# Altium PCB smart-ring-main.PcbDoc (part 3 of 6) (continued)
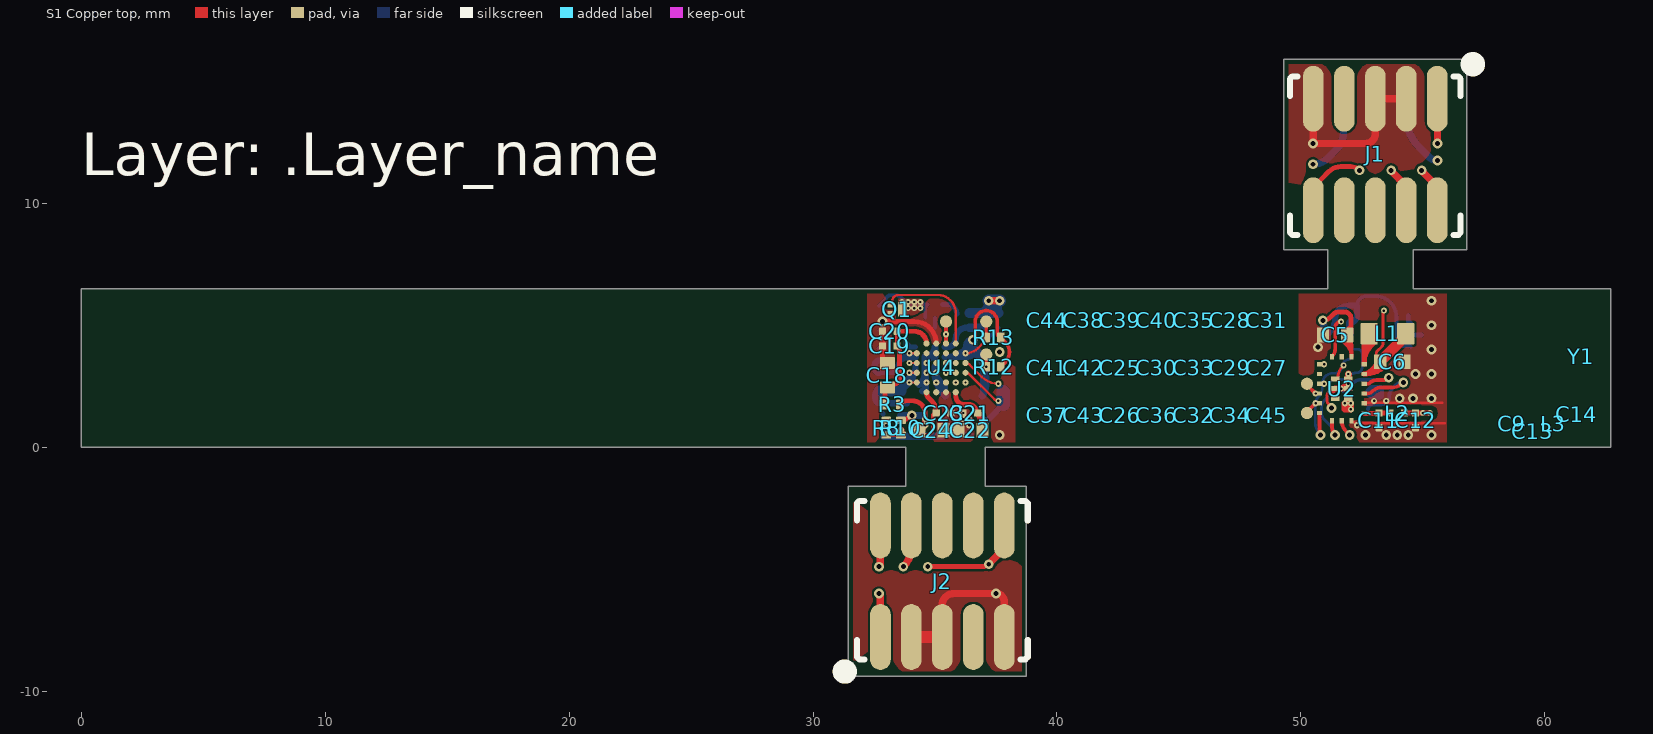
[diagram p0: S1 Copper top view]
## Nets (pads, with @x,y where several pads share a name; then routed paths per layer and width w, separated by ;. In a path a pad name is that pad's centre, name@x,y a point inside that pad or via, vN(x,y) a via of type N, cw(c..) or ccw(c..) an arc to the next point about the centre after c; other vN are vias at no path point) (continued)
  S4 Flex copper inner 2 w0.1: v6@9.652,1.765 9.743,1.857 v6@9.852,1.965 ; 10.852,1.765 10.652,1.965 ; 26.815,4.315 27.102,4.028 ccw(c28.481,5.407) 28.481,3.457 32.376,3.457 ccw(c32.376,4.378) 32.946,3.655 cw(c33.008,3.577) 33.017,3.676 ccw(c33.05,4.05) 33.418,3.976 ccw(c33.05,4.05) 32.715,4.218 ; v1(27.65,5.4) ccw(c28.978,5.4) 27.692,5.069 cw(c27.595,5.044) 27.676,4.985 ccw(c28,4.75) 27.921,4.358 cw(c27.902,4.26) 28.001,4.268 ccw(c28.4,4.3) 28.4,3.9 31.997,3.9 ccw(c31.997,4.874) 32.685,4.185 32.7,4.2 ; v2(30.4,2.2) cw(c30.883,1.717) 30.883,2.4 31.961,2.4 cw(c31.961,1.661) 32.259,2.337 ; 32.264,1.565 32.264,2.316 ccw(c32.216,2.316) 32.259,2.337 ; 32.484,2.184 32.645,2.022 cw(c32.575,1.951) 32.675,1.951 ccw(c33.05,1.95) 33.425,1.95 33.425,3.05 ccw(c33.05,3.05) 32.731,3.247 cw(c32.646,3.3) 32.647,3.2 ; 32.483,2.184 ccw(c31.961,1.661) 32.259,2.337 ; 32.646,3.2 32.279,3.2 32.1,3.2 11.251,3.2 ; 38.3,0.5 38.5,0.5 ; 38.3,0.9 38.5,0.9 ; 38.3,1.3 38.5,1.3 ; 38.3,1.7 38.5,1.7 ; 38.3,2.1 38.5,2.1 ; 38.3,2.5 38.5,2.5 ; 38.3,2.9 38.5,2.9 ; 38.3,3.3 38.5,3.3 ; 38.3,3.7 38.5,3.7 ; 38.3,4.1 38.5,4.1 ; 38.3,4.5 38.5,4.5 ; 38.3,4.9 38.5,4.9 ; 38.3,5.3 38.5,5.3 38.6,5.2 38.7,5.1 ; 38.3,5.7 38.5,5.7 ; 38.3,6.1 38.5,6.1 ; 38.5,6.1 38.7,5.9 ; 38.6,5.2 38.5,5.3 38.7,5.5 ; 39.55,1.45 39.5,1.5 ; 39.6,2.6 39.5,2.7 ; 49.9,0.5 49.7,0.5 ; 49.9,0.9 49.7,0.9 ; 49.9,1.3 49.7,1.3 ; 49.9,1.7 49.7,1.7 ; 49.9,2.1 49.7,2.1 ; 49.9,2.5 49.7,2.5 ; 49.9,2.9 49.7,2.9 ; 49.9,3.3 49.7,3.3 ; 49.9,3.7 49.7,3.7 ; 49.9,4.1 49.7,4.1 ; 49.9,4.5 49.7,4.5 ; 49.9,4.9 49.7,4.9 ; 49.9,5.3 49.7,5.3 ; 49.9,5.7 49.7,5.7 ; 49.9,6.1 49.7,6.1 49.5,5.9 ; v6@9.852,1.965 10.052,1.765 10.252,1.965 ; v6@9.852,1.965 10.052,2.165 ; v6@9.852,1.965 9.652,2.165 9.852,2.365 ; 9.852,2.365 10.052,2.165 ; 9.852,2.365 10.052,2.565 ; 9.852,2.365 9.652,2.565 9.852,2.765 ; 9.852,2.765 10.052,2.965 ; 9.852,2.765 10.052,2.565 ; 9.852,2.765 9.652,2.965 9.852,3.165 ; 9.852,3.165 10.052,2.965 ; 9.852,3.165 10.052,3.365 ; 9.852,3.165 9.652,3.365 9.852,3.565 ; 9.852,3.565 10.052,3.765 ; 9.852,3.565 10.052,3.365 ; 10.052,2.165 10.252,2.365 ; 10.052,2.165 10.252,1.965 ; 10.052,2.565 10.252,2.765 ; 10.052,2.565 10.252,2.365 ; 10.052,2.965 10.252,3.165 ; 10.052,2.965 10.252,2.765 ; 10.052,3.365 10.252,3.565 ; 10.052,3.365 10.252,3.165 ; 10.052,3.765 10.252,3.965 ; 10.052,3.765 10.252,3.565 ; 10.252,1.965 10.452,2.165 ; 10.252,1.965 10.452,1.765 10.652,1.965 ; 10.252,2.365 10.452,2.165 ; 10.252,2.365 10.452,2.565 ; 10.252,2.765 10.452,2.965 ; 10.252,2.765 10.452,2.565 ; 10.252,3.165 10.452,2.965 ; 10.252,3.165 10.452,3.365 ; 10.252,3.565 10.452,3.765 ; 10.252,3.565 10.452,3.365 ; 10.252,3.965 10.452,3.765 ; 10.252,3.965 10.452,4.165 10.652,3.965 ; 10.452,2.165 10.652,2.365 ; 10.452,2.165 10.652,1.965 ; 10.452,2.565 10.652,2.765 ; 10.452,2.565 10.652,2.365 ; 10.452,2.965 10.652,3.165 ; 10.452,2.965 10.652,2.765 ; 10.452,3.365 10.652,3.165 ; 10.452,3.365 10.652,3.565 ; 10.452,3.765 10.652,3.965 ; 10.452,3.765 10.652,3.565 ; 10.652,1.965 10.852,2.165 10.652,2.365 ; 10.652,2.365 10.852,2.565 10.652,2.765 ; 10.652,2.765 10.852,2.965 ; 10.652,3.165 10.852,3.365 ; 10.652,3.165 10.852,2.965 ; 10.652,3.565 10.852,3.365 ; 10.652,3.565 10.852,3.765 10.652,3.965 ; 10.852,2.965 10.971,3.084 cw(c11.251,2.805) 11.251,3.2 ; 10.852,3.365 ccw(c11.251,3.764) 11.251,3.2 ; 38.5,0.5 38.7,0.7 ; 38.5,0.5 38.7,0.3 38.9,0.5 ; 38.5,1.7 38.7,1.9 ; 38.5,1.7 38.7,1.5 ; 38.5,2.1 38.7,2.3 ; 38.5,2.1 38.7,1.9 ; 38.5,2.5 38.7,2.7 ; 38.5,2.5 38.7,2.3 ; 38.5,2.9 38.7,2.7 ; 38.5,2.9 38.7,3.1 ; 38.5,3.3 38.7,3.1 ; 38.5,3.3 38.7,3.5 ; 38.5,3.7 38.7,3.9 ; 38.5,3.7 38.7,3.5 ; 38.5,4.1 38.7,3.9 ; 38.5,4.1 38.7,4.3 ; 38.5,4.5 38.7,4.7 ; 38.5,4.5 38.7,4.3 ; 38.5,4.9 38.7,5.1 ; 38.5,4.9 38.7,4.7 ; 38.5,5.7 38.7,5.9 ; 38.5,5.7 38.7,5.5 ; 38.5,5.7 38.7,5.5 ; 38.7,0.7 38.9,0.5 ; 38.7,0.7 38.5,0.9 38.7,1.1 ; 38.7,0.7 38.9,0.9 ; 38.7,1.1 38.9,0.9 ; 38.7,1.1 38.5,1.3 38.7,1.5 ; 38.7,1.1 38.9,1.3 ; 38.7,1.5 38.9,1.7 ; 38.7,1.5 38.9,1.3 ; 38.7,1.9 38.9,2.1 ; 38.7,1.9 38.9,1.7 ; 38.7,2.3 38.9,2.1 ; 38.7,2.3 38.9,2.5 ; 38.7,2.7 38.9,2.5 ; 38.7,2.7 38.9,2.9 ; 38.7,3.1 38.9,2.9 ; 38.7,3.1 38.9,3.3 ; 38.7,3.5 38.9,3.3 ; 38.7,3.5 38.9,3.7 ; 38.7,3.9 38.9,4.1 ; 38.7,3.9 38.9,3.7 ; 38.7,4.3 38.9,4.1 ; 38.7,4.3 38.9,4.5 ; 38.7,4.7 38.9,4.9 ; 38.7,4.7 38.9,4.5 ; 38.7,5.1 38.9,5.3 ; 38.7,5.1 38.9,4.9 ; 38.7,5.5 38.9,5.3 ; 38.7,5.5 38.9,5.7 ; 38.7,5.5 38.9,5.3 ; 38.7,5.9 38.9,6.1 39.1,5.9 ; 38.7,5.9 38.9,5.7 ; 38.9,0.5 39.1,0.7 ; 38.9,0.5 39.1,0.3 39.3,0.5 ; 38.9,0.9 39.1,0.7 ; 38.9,0.9 39.1,1.1 ; 38.9,1.3 39.1,1.5 ; 38.9,1.3 39.1,1.1 ; 38.9,1.7 39.1,1.9 ; 38.9,1.7 39.1,1.5 ; 38.9,2.1 39.1,1.9 ; 38.9,2.1 39.1,2.3 ; 38.9,2.5 39.1,2.3 ; 38.9,2.5 39.1,2.7 ; 38.9,2.9 39.1,2.7 ; 38.9,2.9 39.1,3.1 ; 38.9,3.3 39.1,3.1 ; 38.9,3.3 39.1,3.5 ; 38.9,3.7 39.1,3.9 ; 38.9,3.7 39.1,3.5 ; 38.9,4.1 39.1,4.3 ; 38.9,4.1 39.1,3.9 ; 38.9,4.5 39.1,4.3 ; 38.9,4.5 39.1,4.7 ; 38.9,4.9 39.1,5.1 ; 38.9,4.9 39.1,4.7 ; 38.9,5.3 39.1,5.1 ; 38.9,5.3 39.1,5.5 ; 38.9,5.3 39.1,5.1 ; 38.9,5.7 39.1,5.5 ; 38.9,5.7 39.1,5.9 ; 39.1,0.7 39.3,0.9 ; 39.1,0.7 39.3,0.5 ; 39.1,1.1 39.3,1.3 ; 39.1,1.1 39.3,0.9 ; 39.1,1.5 39.3,1.7 ; 39.1,1.5 39.3,1.3 ; 39.1,1.9 39.3,1.7 ; 39.1,1.9 39.3,2.1 ; 39.1,2.3 39.3,2.5 ; 39.1,2.3 39.3,2.1 ; 39.1,2.7 39.3,2.5 ; 39.1,2.7 39.3,2.9 ; 39.1,3.1 39.3,2.9 ; 39.1,3.1 39.3,3.3 ; 39.1,3.5 39.3,3.3 ; 39.1,3.5 39.3,3.7 ; 39.1,3.9 39.3,4.1 ; 39.1,3.9 39.3,3.7 ; 39.1,4.3 39.3,4.5 ; 39.1,4.3 39.3,4.1 ; 39.1,4.7 39.3,4.5 ; 39.1,4.7 39.3,4.9 ; 39.1,5.1 39.3,5.3 ; 39.1,5.1 39.3,4.9 ; 39.1,5.1 39.3,4.9 ; 39.1,5.5 39.3,5.3 ; 39.1,5.5 39.3,5.7 ; 39.1,5.9 39.3,5.7 ; 39.1,5.9 39.3,6.1 39.5,5.9 ; 39.3,0.5 39.5,0.7 ; 39.3,0.5 39.5,0.3 39.7,0.5 ; 39.3,0.9 39.5,0.7 ; 39.3,0.9 39.5,1.1 ; 39.3,1.3 39.5,1.5 ; 39.3,1.3 39.5,1.1 ; 39.3,1.7 39.5,1.9 ; 39.3,1.7 39.5,1.5 ; 39.3,2.1 39.5,2.3 ; 39.3,2.1 39.5,1.9 ; 39.3,2.5 39.5,2.3 ; 39.3,2.5 39.5,2.7 ; 39.3,2.9 39.5,2.7 ; 39.3,2.9 39.5,3.1 ; 39.3,3.3 39.5,3.1 ; 39.3,3.3 39.5,3.5 ; 39.3,3.7 39.5,3.5 ; 39.3,3.7 39.5,3.9 ; 39.3,4.1 39.5,4.3 ; 39.3,4.1 39.5,3.9 ; 39.3,4.5 39.5,4.7 ; 39.3,4.5 39.5,4.3 ; 39.3,4.9 39.5,5.1 ; 39.3,4.9 39.5,4.7 ; 39.3,5.3 39.5,5.5 ; 39.3,5.3 39.5,5.1 ; 39.3,5.7 39.5,5.5 ; 39.3,5.7 39.5,5.9 ; 39.5,0.7 39.7,0.5 ; 39.5,0.7 39.7,0.9 ; 39.5,1.1 39.7,1.3 ; 39.5,1.1 39.7,0.9 ; 39.5,1.5 39.7,1.7 ; 39.5,1.5 39.7,1.3 ; 39.5,1.9 39.7,2.1 ; 39.5,1.9 39.7,1.7 ; 39.5,2.3 39.7,2.5 ; 39.5,2.3 39.7,2.1 ; 39.5,2.7 39.7,2.9 ; 39.5,2.7 39.7,2.5 ; 39.5,3.1 39.7,2.9 ; 39.5,3.1 39.7,3.3 ; 39.5,3.5 39.7,3.3 ; 39.5,3.5 39.7,3.7 ; 39.5,3.9 39.7,3.7 ; 39.5,3.9 39.7,4.1 ; 39.5,4.3 39.7,4.5 ; 39.5,4.3 39.7,4.1 ; 39.5,4.7 39.7,4.5 ; 39.5,4.7 39.7,4.9 ; 39.5,5.1 39.7,4.9 ; 39.5,5.1 39.7,5.3 ; 39.5,5.5 39.7,5.7 ; 39.5,5.5 39.7,5.3 ; 39.5,5.9 39.7,5.7 ; 39.5,5.9 39.7,6.1 39.9,5.9 39.7,5.7 ; 39.7,0.5 39.9,0.7 ; 39.7,0.5 39.9,0.3 40.1,0.5 ; 39.7,0.9 39.9,1.1 ; 39.7,0.9 39.9,0.7 ; 39.7,1.3 39.9,1.5 ; 39.7,1.3 39.9,1.1 ; 39.7,1.7 39.9,1.9 39.7,2.1 ; 39.7,1.7 39.9,1.5 ; 39.7,2.1 39.9,2.3 39.7,2.5 ; 39.7,2.5 39.9,2.7 ; 39.7,2.9 39.9,3.1 ; 39.7,2.9 39.9,2.7 ; 39.7,3.3 39.9,3.1 ; 39.7,3.3 39.9,3.5 39.7,3.7 ; 39.7,3.7 39.9,3.9 ; 39.7,4.1 39.9,3.9 ; 39.7,4.1 39.9,4.3 ; 39.7,4.5 39.9,4.3 ; 39.7,4.5 39.9,4.3 ; 39.7,4.5 39.9,4.7 ; 39.7,4.9 39.9,4.7 ; 39.7,4.9 39.9,5.1 ; 39.7,5.3 39.9,5.1 ; 39.7,5.3 39.9,5.5 ; 39.7,5.7 39.9,5.5 ; 39.9,0.7 40.1,0.9 ; 39.9,0.7 40.1,0.5 ; 39.9,1.1 40.1,1.3 ; 39.9,1.1 40.1,0.9 ; 39.9,1.5 40.1,1.3 ; 39.9,2.7 40.1,2.9 39.9,3.1 ; 39.9,3.9 40.1,4.1 ; 39.9,4.3 40.1,4.5 ; 39.9,4.3 40.1,4.1 ; 39.9,4.3 40.1,4.1 ; 39.9,4.7 40.1,4.9 ; 39.9,4.7 40.1,4.5 ; 39.9,5.1 40.1,4.9 ; 39.9,5.1 40.1,5.3 ; 39.9,5.5 40.1,5.3 ; 40.1,0.5 v1@40.3,0.7 ; 40.1,0.5 40.3,0.3 40.5,0.5 ; 40.1,0.9 40.3,1.1 ; 40.1,0.9 v1@40.3,0.7 ; 40.1,1.3 40.3,1.5 40.5,1.3 ; 40.1,1.3 40.3,1.1 ; 40.1,4.1 v1@40.3,4.3 ; 40.1,4.1 40.3,3.9 ; 40.1,4.1 40.3,3.9 ; 40.1,4.5 v1@40.3,4.7 ; 40.1,4.5 v1@40.3,4.3 ; 40.1,4.9 40.3,5.1 ; 40.1,4.9 v1@40.3,4.7 ; 40.1,5.3 40.3,5.1 ; v1@40.3,0.7 40.5,0.9 ; v1@40.3,0.7 40.5,0.5 ; 40.3,1.1 40.5,1.3 ; 40.3,1.1 40.5,0.9 ; 40.3,3.9 40.5,4.1 ; v1@40.3,4.3 v1@40.5,4.5 ; v1@40.3,4.3 40.5,4.1 ; v1@40.3,4.7 v1@40.5,4.5 ; v1@40.3,4.7 40.5,4.9 ; 40.3,5.1 40.5,5.3 ; 40.3,5.1 40.5,4.9 ; 40.5,0.5 40.7,0.7 ; 40.5,0.5 40.7,0.3 40.9,0.5 ; 40.5,0.9 40.7,0.7 ; 40.5,0.9 40.7,1.1 ; 40.5,1.3 40.7,1.5 ; 40.5,1.3 40.7,1.1 ; 40.5,4.1 40.7,3.9 ; 40.5,4.1 40.7,4.3 ; v1@40.5,4.5 40.7,4.3 ; v1@40.5,4.5 40.7,4.7 ; 40.5,4.9 40.7,4.7 ; 40.5,4.9 40.7,5.1 ; 40.5,5.3 40.7,5.5 40.9,5.3 ; 40.5,5.3 40.7,5.1 ; 40.7,0.7 40.9,0.5 ; 40.7,0.7 40.9,0.9 ; 40.7,1.1 40.9,1.3 ; 40.7,1.1 40.9,0.9 ; 40.7,1.5 40.9,1.7 ; 40.7,1.5 40.9,1.3 ; 40.7,3.9 40.9,4.1 ; 40.7,3.9 40.9,3.7 ; 40.7,4.3 40.9,4.1 ; 40.7,4.3 40.9,4.5 ; 40.7,4.7 40.9,4.5 ; 40.7,4.7 40.9,4.9 ; 40.7,5.1 40.9,4.9 ; 40.7,5.1 40.9,5.3 ; 40.9,0.5 41.1,0.7 ; 40.9,0.5 41.1,0.3 41.3,0.5 ; 40.9,0.9 41.1,1.1 ; 40.9,0.9 41.1,0.7 ; 40.9,1.3 41.1,1.5 ; 40.9,1.3 41.1,1.1 ; 40.9,1.7 41.1,1.9 ; 40.9,1.7 41.1,1.5 ; 40.9,3.7 41.1,3.5 ; 40.9,3.7 41.1,3.9 ; 40.9,4.1 41.1,4.3 ; 40.9,4.1 41.1,3.9 ; 40.9,4.5 41.1,4.3 ; 40.9,4.5 41.1,4.7 ; 40.9,4.9 41.1,4.7 ; 40.9,4.9 41.1,5.1 ; 40.9,5.3 41.1,5.1 ; 40.9,5.3 41.1,5.5 41.3,5.3 ; 41.1,0.7 41.3,0.9 ; 41.1,0.7 41.3,0.5 ; 41.1,1.1 41.3,1.3 ; 41.1,1.1 41.3,0.9 ; 41.1,1.5 41.3,1.7 ; 41.1,1.5 41.3,1.3 ; 41.1,1.9 41.3,2.1 41.1,2.3 ; 41.1,1.9 41.3,1.7 ; 41.1,1.9 40.9,2.1 41.1,2.3 ; 41.1,2.3 41.3,2.5 41.1,2.7 ; 41.1,2.3 40.9,2.5 41.1,2.7 ; 41.1,2.7 41.5,3.1 ; 41.1,3.5 41.3,3.3 ; 41.1,3.5 41.3,3.7 ; 41.1,3.9 41.3,3.7 ; 41.1,3.9 41.3,4.1 ; 41.1,4.3 41.3,4.5 ; 41.1,4.3 41.3,4.1 ; 41.1,4.7 41.3,4.5 ; 41.1,4.7 41.3,4.9 ; 41.1,5.1 41.3,4.9 ; 41.1,5.1 41.3,5.3 ; 41.3,0.5 41.5,0.7 ; 41.3,0.5 41.5,0.3 41.7,0.5 ; 41.3,0.9 41.5,1.1 ; 41.3,0.9 41.5,0.7 ; 41.3,1.3 41.5,1.5 ; 41.3,1.3 41.5,1.1 ; 41.3,1.7 41.5,1.5 ; 41.3,3.3 41.5,3.5 ; 41.3,3.3 41.5,3.1 ; 41.3,3.7 41.5,3.5 ; 41.3,3.7 41.5,3.9 ; 41.3,4.1 41.5,3.9 ; 41.3,4.1 41.5,4.3 ; 41.3,4.5 41.5,4.7 ; 41.3,4.5 41.5,4.3 ; 41.3,4.9 41.5,4.7 ; 41.3,4.9 41.5,5.1 ; 41.3,5.3 41.5,5.1 ; 41.3,5.3 41.5,5.5 41.7,5.3 ; 41.5,0.7 41.7,0.9 ; 41.5,0.7 41.7,0.5 ; 41.5,1.1 41.7,1.3 ; 41.5,1.1 41.7,0.9 ; 41.5,1.5 41.7,1.3 ; 41.5,3.1 41.7,3.3 ; 41.5,3.1 41.7,2.9 41.9,3.1 ; 41.5,3.5 41.7,3.7 ; 41.5,3.5 41.7,3.3 ; 41.5,3.9 41.7,4.1 ; 41.5,3.9 41.7,3.7 ; 41.5,4.3 41.7,4.1 ; 41.5,4.3 v1@41.7,4.5 ; 41.5,4.7 41.7,4.9 ; 41.5,4.7 v1@41.7,4.5 ; 41.5,5.1 41.7,4.9 ; 41.5,5.1 41.7,5.3 ; 41.7,0.5 v1@41.9,0.7 ; 41.7,0.5 41.9,0.3 42.1,0.5 ; 41.7,0.9 v1@41.9,0.7 ; 41.7,0.9 41.9,1.1 ; 41.7,1.3 41.9,1.5 42.1,1.3 ; 41.7,1.3 41.9,1.1 ; 41.7,3.3 41.9,3.5 ; 41.7,3.3 41.9,3.1 ; 41.7,3.7 v1@41.9,3.9 ; 41.7,3.7 41.9,3.5 ; 41.7,4.1 v1@41.9,3.9 ; 41.7,4.1 v1@41.9,4.3 ; v1@41.7,4.5 v1@41.9,4.7 ; v1@41.7,4.5 v1@41.9,4.3 ; 41.7,4.9 41.9,5.1 ; 41.7,4.9 v1@41.9,4.7 ; 41.7,5.3 41.9,5.1 ; v1@41.9,0.7 42.1,0.9 ; v1@41.9,0.7 42.1,0.5 ; 41.9,1.1 42.1,1.3 ; 41.9,1.1 42.1,0.9 ; 41.9,3.1 42.1,3.3 ; 41.9,3.1 42.1,2.9 ; 41.9,3.5 42.1,3.3 ; 41.9,3.5 42.1,3.7 ; v1@41.9,3.9 42.1,4.1 ; v1@41.9,3.9 42.1,3.7 ; v1@41.9,4.3 42.1,4.5 ; v1@41.9,4.3 42.1,4.1 ; v1@41.9,4.7 42.1,4.5 ; v1@41.9,4.7 42.1,4.9 ; 41.9,5.1 42.1,5.3 ; 41.9,5.1 42.1,4.9 ; 42.1,0.5 42.3,0.7 ; 42.1,0.5 42.3,0.3 42.5,0.5 ; 42.1,0.9 42.3,1.1 ; 42.1,0.9 42.3,0.7 ; 42.1,1.3 42.3,1.5 ; 42.1,1.3 42.3,1.1 ; 42.1,2.9 42.3,3.1 ; 42.1,2.9 42.3,2.7 ; 42.1,3.3 42.3,3.1 ; 42.1,3.3 42.3,3.5 ; 42.1,3.7 42.3,3.5 ; 42.1,3.7 42.3,3.9 ; 42.1,4.1 42.3,4.3 ; 42.1,4.1 42.3,3.9 ; 42.1,4.5 42.3,4.3 ; 42.1,4.5 42.3,4.7 ; 42.1,4.9 42.3,4.7 ; 42.1,4.9 42.3,5.1 ; 42.1,5.3 42.3,5.5 42.5,5.3 ; 42.1,5.3 42.3,5.1 ; 42.3,0.7 42.5,0.9 ; 42.3,0.7 42.5,0.5 ; 42.3,1.1 42.5,1.3 ; 42.3,1.1 42.5,0.9 ; 42.3,1.5 42.5,1.7 ; 42.3,1.5 42.5,1.3 ; 42.3,1.9 42.5,1.7 ; 42.3,1.9 42.5,2.1 ; 42.3,1.9 42.5,1.7 ; 42.3,2.7 42.5,2.9 ; 42.3,2.7 42.5,2.5 ; 42.3,3.1 42.5,2.9 ; 42.3,3.1 42.5,3.3 ; 42.3,3.5 42.5,3.3 ; 42.3,3.5 42.5,3.7 ; 42.3,3.9 42.5,4.1 ; 42.3,3.9 42.5,3.7 ; 42.3,4.3 42.5,4.5 ; 42.3,4.3 42.5,4.1 ; 42.3,4.7 42.5,4.5 ; 42.3,4.7 42.5,4.9 ; 42.3,5.1 42.5,4.9 ; 42.3,5.1 42.5,5.3 ; 42.5,0.5 42.7,0.7 ; 42.5,0.5 42.7,0.3 42.9,0.5 ; 42.5,0.9 42.7,1.1 ; 42.5,0.9 42.7,0.7 ; 42.5,1.3 42.7,1.5 ; 42.5,1.3 42.7,1.1 ; 42.5,1.7 42.7,1.9 ; 42.5,1.7 42.7,1.5 ; 42.5,1.7 42.7,1.5 ; 42.5,2.1 42.7,1.9 ; 42.5,2.1 42.3,2.3 42.5,2.5 ; 42.5,2.1 42.7,2.3 ; 42.5,2.5 42.7,2.7 ; 42.5,2.5 42.7,2.3 ; 42.5,2.9 42.7,3.1 ; 42.5,2.9 42.7,2.7 ; 42.5,3.3 42.7,3.1 ; 42.5,3.3 42.7,3.5 ; 42.5,3.7 42.7,3.9 ; 42.5,3.7 42.7,3.5 ; 42.5,4.1 42.7,4.3 ; 42.5,4.1 42.7,3.9 ; 42.5,4.5 42.7,4.7 ; 42.5,4.5 42.7,4.3 ; 42.5,4.9 42.7,4.7 ; 42.5,4.9 42.7,5.1 ; 42.5,5.3 42.7,5.1 ; 42.5,5.3 42.7,5.5 42.9,5.3 ; 42.7,0.7 42.9,0.9 ; 42.7,0.7 42.9,0.5 ; 42.7,1.1 42.9,1.3 ; 42.7,1.1 42.9,0.9 ; 42.7,1.5 42.9,1.3 ; 42.7,1.5 42.9,1.7 ; 42.7,1.5 42.9,1.3 ; 42.7,1.9 42.9,2.1 42.7,2.3 ; 42.7,1.9 42.9,1.7 ; 42.7,2.3 42.9,2.5 42.7,2.7 ; 42.7,2.7 42.9,2.9 ; 42.7,3.1 42.9,3.3 ; 42.7,3.1 42.9,2.9 ; 42.7,3.5 42.9,3.7 ; 42.7,3.5 42.9,3.3 ; 42.7,3.9 42.9,4.1 ; 42.7,3.9 42.9,3.7 ; 42.7,4.3 42.9,4.5 ; 42.7,4.3 42.9,4.1 ; 42.7,4.7 42.9,4.9 ; 42.7,4.7 42.9,4.5 ; 42.7,5.1 42.9,4.9 ; 42.7,5.1 42.9,5.3 ; 42.9,0.5 43.1,0.7 ; 42.9,0.5 43.1,0.3 v1@43.3,0.5 ; 42.9,0.9 43.1,1.1 ; 42.9,0.9 43.1,0.7 ; 42.9,1.3 43.1,1.5 ; 42.9,1.3 43.1,1.1 ; 42.9,1.3 43.1,1.1 ; 42.9,1.7 43.1,1.5 ; 42.9,2.9 43.1,3.1 ; 42.9,3.3 43.1,3.5 ; 42.9,3.3 43.1,3.1 ; 42.9,3.7 43.1,3.9 ; 42.9,3.7 43.1,3.5 ; 42.9,4.1 43.1,3.9 ; 42.9,4.1 43.1,4.3 ; 42.9,4.5 43.1,4.7 ; 42.9,4.5 43.1,4.3 ; 42.9,4.9 43.1,5.1 ; 42.9,4.9 43.1,4.7 ; 42.9,5.3 43.1,5.1 ; 43.1,0.7 v1@43.3,0.9 ; 43.1,0.7 v1@43.3,0.5 ; 43.1,1.1 43.3,1.3 ; 43.1,1.1 v1@43.3,0.9 ; 43.1,1.5 43.3,1.3 ; 43.1,3.1 43.3,3.3 ; 43.1,3.1 43.3,2.9 43.5,3.1 ; 43.1,3.5 43.3,3.3 ; 43.1,3.5 v1@43.3,3.7 ; 43.1,3.9 v1@43.3,4.1 ; 43.1,3.9 43.225,3.775 v1@43.3,3.7 ; 43.1,4.3 v1@43.3,4.5 ; 43.1,4.3 v1@43.3,4.1 ; 43.1,4.7 v1@43.3,4.5 ; 43.1,4.7 43.3,4.9 ; 43.1,5.1 43.3,5.3 43.5,5.1 ; 43.1,5.1 43.3,4.9 ; v1@43.3,0.5 v1@43.5,0.7 ; v1@43.3,0.5 43.5,0.3 43.7,0.5 ; v1@43.3,0.9 v1@43.5,0.7 ; v1@43.3,0.9 43.5,1.1 ; 43.3,1.3 43.5,1.5 43.7,1.3 ; 43.3,1.3 43.5,1.1 ; 43.3,3.3 43.5,3.1 ; 43.3,3.3 43.5,3.5 ; v1@43.3,3.7 v1@43.5,3.9 ; v1@43.3,3.7 43.5,3.5 ; v1@43.3,4.1 43.42,3.98 v1@43.5,3.9 ; v1@43.3,4.1 43.5,4.3 ; v1@43.3,4.5 43.5,4.7 ; v1@43.3,4.5 43.5,4.3 ; 43.3,4.9 43.5,4.7 ; 43.3,4.9 43.5,5.1 ; v1@43.5,0.7 43.7,0.5 ; v1@43.5,0.7 43.7,0.9 ; v1@43.5,0.7 43.7,0.5 ; 43.5,1.1 43.7,1.3 ; 43.5,1.1 43.7,0.9 ; 43.5,3.1 43.7,2.9 ; 43.5,3.1 43.7,3.3 ; 43.5,3.5 43.7,3.3 ; 43.5,3.5 43.7,3.7 ; v1@43.5,3.9 43.7,4.1 ; v1@43.5,3.9 43.7,3.7 ; 43.5,4.3 43.7,4.5 ; 43.5,4.3 43.7,4.1 ; 43.5,4.7 43.7,4.5 ; 43.5,4.7 43.7,4.9 ; 43.5,5.1 43.7,4.9 ; 43.5,5.1 43.7,5.3 ; 43.7,0.5 43.9,0.7 ; 43.7,0.5 43.9,0.3 ; 43.7,0.5 43.9,0.3 ; 43.7,0.9 43.9,1.1 ; 43.7,0.9 43.9,0.7 ; 43.7,1.3 43.9,1.5 ; 43.7,1.3 43.9,1.1 ; 43.7,2.9 43.9,3.1 ; 43.7,2.9 43.9,2.7 ; 43.7,3.3 43.9,3.1 ; 43.7,3.3 43.9,3.5 ; 43.7,3.7 43.9,3.9 ; 43.7,3.7 43.9,3.5 ; 43.7,4.1 43.9,4.3 ; 43.7,4.1 43.9,3.9 ; 43.7,4.5 43.9,4.3 ; 43.7,4.5 43.9,4.7 ; 43.7,4.9 43.9,4.7 ; 43.7,4.9 43.9,5.1 ; 43.7,5.3 43.9,5.5 44.1,5.3 ; 43.7,5.3 43.9,5.1 ; 43.9,0.3 44.1,0.5 ; 43.9,0.7 44.1,0.9 ; 43.9,0.7 44.1,0.5 ; 43.9,1.1 44.1,1.3 ; 43.9,1.1 44.1,0.9 ; 43.9,1.5 44.1,1.7 ; 43.9,1.5 44.1,1.3 ; 43.9,2.7 44.1,2.9 ; 43.9,2.7 44.1,2.5 ; 43.9,3.1 44.1,3.3 ; 43.9,3.1 44.1,2.9 ; 43.9,3.5 44.1,3.7 ; 43.9,3.5 44.1,3.3 ; 43.9,3.9 44.1,4.1 ; 43.9,3.9 44.1,3.7 ; 43.9,4.3 44.1,4.5 ; 43.9,4.3 44.1,4.1 ; 43.9,4.7 44.1,4.5 ; 43.9,4.7 44.1,4.9 ; 43.9,5.1 44.1,5.3 ; 43.9,5.1 44.1,4.9 ; 44.1,0.5 44.3,0.7 ; 44.1,0.5 44.3,0.3 44.5,0.5 ; 44.1,0.9 44.3,1.1 ; 44.1,0.9 44.3,0.7 ; 44.1,1.3 44.3,1.5 ; 44.1,1.3 44.3,1.1 ; 44.1,1.7 44.3,1.9 ; 44.1,1.7 44.3,1.5 ; 44.1,1.7 43.9,1.9 44.1,2.1 ; 44.1,2.1 44.3,1.9 ; 44.1,2.1 44.3,2.3 ; 44.1,2.1 43.9,2.3 44.1,2.5 ; 44.1,2.5 44.3,2.7 ; 44.1,2.5 44.3,2.3 ; 44.1,2.9 44.3,3.1 ; 44.1,2.9 44.3,2.7 ; 44.1,3.3 44.3,3.1 ; 44.1,3.3 44.3,3.5 ; 44.1,3.7 44.3,3.9 ; 44.1,3.7 44.3,3.5 ; 44.1,4.1 44.3,4.3 ; 44.1,4.1 44.3,3.9 ; 44.1,4.5 44.3,4.3 ; 44.1,4.5 44.3,4.7 ; 44.1,4.9 44.3,5.1 ; 44.1,4.9 44.3,4.7 ; 44.1,5.3 44.3,5.5 44.5,5.3 ; 44.1,5.3 44.3,5.1 ; 44.3,0.7 44.5,0.9 ; 44.3,0.7 44.5,0.5 ; 44.3,1.1 44.5,1.3 ; 44.3,1.1 44.5,0.9 ; 44.3,1.5 44.5,1.7 44.3,1.9 ; 44.3,1.5 44.5,1.3 ; 44.3,1.9 44.5,2.1 44.3,2.3 ; 44.3,2.7 44.5,2.9 ; 44.3,3.1 44.5,3.3 ; 44.3,3.1 44.5,2.9 ; 44.3,3.5 44.5,3.3 ; 44.3,3.5 44.5,3.7 ; 44.3,3.9 44.5,4.1 ; 44.3,3.9 44.5,3.7 ; 44.3,4.3 44.5,4.5 ; 44.3,4.3 44.5,4.1 ; 44.3,4.7 44.5,4.5 ; 44.3,4.7 44.5,4.9 ; 44.3,5.1 44.5,5.3 ; 44.3,5.1 44.5,4.9 ; 44.5,0.5 v1@44.7,0.7 ; 44.5,0.5 44.7,0.3 v1@44.9,0.5 ; 44.5,0.9 v1@44.7,0.7 ; 44.5,0.9 44.7,1.1 ; 44.5,1.3 44.7,1.5 44.9,1.3 ; 44.5,1.3 44.7,1.1 ; 44.5,2.9 44.7,3.1 ; 44.5,3.3 44.7,3.1 ; 44.5,3.3 44.7,3.5 ; 44.5,3.7 44.7,3.5 ; 44.5,3.7 v1@44.7,3.9 ; 44.5,4.1 44.7,4.3 ; 44.5,4.1 v1@44.7,3.9 ; 44.5,4.5 44.7,4.7 ; 44.5,4.5 44.7,4.3 ; 44.5,4.9 44.7,4.7 ; 44.5,4.9 44.7,5.1 ; 44.5,5.3 44.7,5.1 ; v1@44.7,0.7 v1@44.9,0.9 ; v1@44.7,0.7 v1@44.9,0.5 ; 44.7,1.1 v1@44.9,0.9 ; 44.7,1.1 44.9,1.3 ; 44.7,3.1 44.9,2.9 45.1,3.1 ; 44.7,3.1 44.9,3.3 ; 44.7,3.5 44.9,3.3 ; 44.7,3.5 v1@44.9,3.7 ; v1@44.7,3.9 v1@44.9,4.1 ; v1@44.7,3.9 v1@44.9,3.7 ; 44.7,4.3 v1@44.9,4.5 ; 44.7,4.3 v1@44.9,4.1 ; 44.7,4.7 v1@44.9,4.5 ; 44.7,4.7 44.9,4.9 ; 44.7,5.1 44.9,4.9 ; 44.7,5.1 44.9,5.3 45.1,5.1 ; v1@44.9,0.5 45.1,0.7 ; v1@44.9,0.5 45.1,0.3 45.3,0.5 ; v1@44.9,0.9 45.1,0.7 ; v1@44.9,0.9 45.1,1.1 ; 44.9,1.3 45.1,1.5 45.3,1.3 ; 44.9,1.3 45.1,1.1 ; 44.9,3.3 45.1,3.1 ; 44.9,3.3 45.1,3.5 ; v1@44.9,3.7 45.1,3.9 ; v1@44.9,3.7 45.1,3.5 ; v1@44.9,4.1 45.1,3.9 ; v1@44.9,4.1 45.1,4.3 ; v1@44.9,4.5 45.1,4.3 ; v1@44.9,4.5 45.1,4.7 ; 44.9,4.9 45.1,4.7 ; 44.9,4.9 45.1,5.1 ; 45.1,0.7 45.3,0.9 ; 45.1,0.7 45.3,0.5 ; 45.1,1.1 45.3,1.3 ; 45.1,1.1 45.3,0.9 ; 45.1,3.1 45.3,2.9 ; 45.1,3.1 45.3,3.3 ; 45.1,3.5 45.3,3.3 ; 45.1,3.5 45.3,3.7 ; 45.1,3.9 45.3,4.1 ; 45.1,3.9 45.3,3.7 ; 45.1,4.3 45.3,4.5 ; 45.1,4.3 45.3,4.1 ; 45.1,4.7 45.3,4.5 ; 45.1,4.7 45.3,4.9 ; 45.1,5.1 45.3,5.3 ; 45.1,5.1 45.3,4.9 ; 45.3,0.5 45.5,0.3 45.7,0.5 ; 45.3,0.5 45.5,0.7 ; 45.3,0.9 45.5,1.1 ; 45.3,0.9 45.5,0.7 ; 45.3,1.3 45.5,1.1 ; 45.3,1.3 45.5,1.5 ; 45.3,2.9 45.5,2.7 ; 45.3,2.9 45.5,3.1 ; 45.3,3.3 45.5,3.1 ; 45.3,3.3 45.5,3.5 ; 45.3,3.7 45.5,3.9 ; 45.3,3.7 45.5,3.5 ; 45.3,4.1 45.5,4.3 ; 45.3,4.1 45.5,3.9 ; 45.3,4.5 45.5,4.7 ; 45.3,4.5 45.5,4.3 ; 45.3,4.9 45.5,5.1 ; 45.3,4.9 45.5,4.7 ; 45.3,5.3 45.5,5.1 ; 45.3,5.3 45.5,5.5 45.7,5.3 ; 45.5,2.7 45.7,2.9 ; 45.5,2.7 45.7,2.5 ; 45.5,3.1 45.7,2.9 ; 45.5,3.1 45.7,3.3 ; 45.5,3.5 45.7,3.3 ; 45.5,3.5 45.7,3.7 ; 45.5,3.9 45.7,4.1 ; 45.5,3.9 45.7,3.7 ; 45.5,4.3 45.7,4.5 ; 45.5,4.3 45.7,4.1 ; 45.5,4.7 45.7,4.5 ; 45.5,4.7 45.7,4.9 ; 45.5,5.1 45.7,5.3 ; 45.5,5.1 45.7,4.9 ; 45.5,0.7 45.7,0.9 ; 45.5,0.7 45.7,0.5 ; 45.5,1.1 45.7,0.9 ; 45.5,1.1 45.7,1.3 ; 45.5,1.5 45.7,1.3 ; 45.5,1.5 45.7,1.7 ; 45.7,0.5 45.9,0.7 ; 45.7,0.5 45.9,0.3 46.1,0.5 ; 45.7,0.9 45.9,0.7 ; 45.7,0.9 45.9,1.1 ; 45.7,1.3 45.9,1.1 ; 45.7,1.3 45.9,1.5 ; 45.7,1.7 45.9,1.9 45.7,2.1 ; 45.7,1.7 45.9,1.5 ; 45.7,1.7 45.5,1.9 45.7,2.1 ; 45.7,2.1 45.5,2.3 45.7,2.5 ; 45.7,2.1 45.9,2.3 45.7,2.5 ; 45.7,2.5 45.9,2.7 ; 45.7,2.9 45.9,3.1 ; 45.7,2.9 45.9,2.7 ; 45.7,3.3 45.9,3.1 ; 45.7,3.3 45.9,3.5 ; 45.7,3.7 45.9,3.5 ; 45.7,3.7 45.9,3.9 ; 45.7,4.1 45.9,4.3 ; 45.7,4.1 45.9,3.9 ; 45.7,4.5 45.9,4.3 ; 45.7,4.5 45.9,4.7 ; 45.7,4.9 45.9,5.1 ; 45.7,4.9 45.9,4.7 ; 45.7,5.3 45.9,5.5 46.1,5.3 ; 45.7,5.3 45.9,5.1 ; 45.9,2.7 46.1,2.9 ; 45.9,3.1 46.1,3.3 ; 45.9,3.1 46.1,2.9 ; 45.9,3.5 46.1,3.3 ; 45.9,3.5 46.1,3.7 ; 45.9,3.9 46.1,3.7 ; 45.9,3.9 46.1,4.1 ; 45.9,4.3 46.1,4.5 ; 45.9,4.3 46.1,4.1 ; 45.9,4.7 46.1,4.9 ; 45.9,4.7 46.1,4.5 ; 45.9,5.1 46.1,5.3 ; 45.9,5.1 46.1,4.9 ; 45.9,0.7 46.1,0.9 ; 45.9,0.7 46.1,0.5 ; 45.9,1.1 46.1,0.9 ; 45.9,1.1 46.1,1.3 ; 45.9,1.5 46.1,1.3 ; 46.1,0.5 v1@46.3,0.7 ; 46.1,0.5 46.3,0.3 46.5,0.5 ; 46.1,0.9 v1@46.3,0.7 ; 46.1,0.9 46.3,1.1 ; 46.1,1.3 46.3,1.1 ; 46.1,1.3 46.3,1.5 46.5,1.3 ; 46.1,2.9 46.3,3.1 ; 46.1,3.3 46.3,3.1 ; 46.1,3.3 46.3,3.5 ; 46.1,3.7 46.3,3.5 ; 46.1,3.7 v1@46.3,3.9 ; 46.1,4.1 v1@46.3,4.3 ; 46.1,4.1 v1@46.3,3.9 ; 46.1,4.5 v1@46.3,4.7 ; 46.1,4.5 46.203,4.397 v1@46.3,4.3 ; 46.1,4.9 46.3,5.1 ; 46.1,4.9 v1@46.3,4.7 ; 46.1,5.3 46.3,5.1 ; v1@46.3,0.7 46.5,0.9 ; v1@46.3,0.7 46.325,0.675 46.5,0.5 ; 46.3,1.1 46.5,0.9 ; 46.3,1.1 46.5,1.3 ; 46.3,3.1 46.5,3.3 ; 46.3,3.1 46.5,2.9 ; 46.3,3.5 46.5,3.3 ; 46.3,3.5 46.5,3.7 ; v1@46.3,3.9 46.5,4.1 ; v1@46.3,3.9 46.5,3.7 ; v1@46.3,4.3 v1@46.5,4.5 ; v1@46.3,4.3 46.5,4.1 ; v1@46.3,4.7 46.425,4.575 v1@46.5,4.5 ; v1@46.3,4.7 46.5,4.9 ; 46.3,5.1 46.5,5.3 ; 46.3,5.1 46.5,4.9 ; 46.5,0.5 46.7,0.7 ; 46.5,0.5 46.7,0.3 46.9,0.5 ; 46.5,0.9 46.525,0.875 46.7,0.7 ; 46.5,0.9 46.7,1.1 ; 46.5,1.3 46.7,1.1 ; 46.5,1.3 46.7,1.5 ; 46.5,2.9 46.7,3.1 ; 46.5,2.9 46.7,2.7 ; 46.5,3.3 46.7,3.5 ; 46.5,3.3 46.7,3.1 ; 46.5,3.7 46.7,3.9 ; 46.5,3.7 46.7,3.5 ; 46.5,4.1 46.7,3.9 ; 46.5,4.1 46.7,4.3 ; v1@46.5,4.5 46.7,4.7 ; v1@46.5,4.5 46.7,4.3 ; 46.5,4.9 46.7,5.1 ; 46.5,4.9 46.7,4.7 ; 46.5,5.3 46.7,5.5 46.9,5.3 ; 46.5,5.3 46.7,5.1 ; 46.7,0.7 46.9,0.9 ; 46.7,0.7 46.9,0.5 ; 46.7,1.1 46.9,0.9 ; 46.7,1.1 46.9,1.3 ; 46.7,1.5 46.9,1.3 ; 46.7,1.5 46.9,1.7 ; 46.7,2.7 46.9,2.5 ; 46.7,2.7 46.9,2.9 ; 46.7,3.1 46.9,3.3 ; 46.7,3.1 46.9,2.9 ; 46.7,3.5 46.9,3.7 ; 46.7,3.5 46.9,3.3 ; 46.7,3.9 46.9,4.1 ; 46.7,3.9 46.9,3.7 ; 46.7,4.3 46.9,4.1 ; 46.7,4.3 46.9,4.5 ; 46.7,4.7 46.9,4.9 ; 46.7,4.7 46.9,4.5 ; 46.7,5.1 46.9,5.3 ; 46.7,5.1 46.9,4.9 ; 46.9,0.5 47.1,0.7 ; 46.9,0.5 47.1,0.3 47.3,0.5 ; 46.9,0.9 47.1,1.1 ; 46.9,0.9 47.1,0.7 ; 46.9,1.3 47.1,1.1 ; 46.9,1.3 47.1,1.5 ; 46.9,1.7 47.1,1.5 ; 46.9,1.7 47.1,1.9 ; 46.9,2.1 47.1,2.3 ; 46.9,2.1 47.1,1.9 ; 46.9,2.1 46.7,2.3 46.9,2.5 ; 46.9,2.5 47.1,2.3 ; 46.9,2.5 47.1,2.7 ; 46.9,2.9 47.1,2.7 ; 46.9,2.9 47.1,3.1 ; 46.9,3.3 47.1,3.5 ; 46.9,3.3 47.1,3.1 ; 46.9,3.7 47.1,3.9 ; 46.9,3.7 47.1,3.5 ; 46.9,4.1 47.1,4.3 ; 46.9,4.1 47.1,3.9 ; 46.9,4.5 47.1,4.3 ; 46.9,4.5 47.1,4.7 ; 46.9,4.9 47.1,5.1 ; 46.9,4.9 47.1,4.7 ; 46.9,5.3 47.1,5.5 47.3,5.3 ; 46.9,5.3 47.1,5.1 ; 47.1,0.7 47.3,0.9 ; 47.1,0.7 47.3,0.5 ; 47.1,1.1 47.3,1.3 ; 47.1,1.1 47.3,0.9 ; 47.1,1.5 47.3,1.3 ; 47.1,1.5 47.3,1.7 ; 47.1,1.9 47.3,2.1 ; 47.1,1.9 47.3,1.7 ; 47.1,2.3 47.3,2.5 ; 47.1,2.3 47.3,2.1 ; 47.1,2.7 47.3,2.5 ; 47.1,2.7 47.3,2.9 ; 47.1,3.1 47.3,3.3 ; 47.1,3.1 47.3,2.9 ; 47.1,3.5 47.3,3.3 ; 47.1,3.5 47.3,3.7 ; 47.1,3.9 47.3,4.1 ; 47.1,3.9 47.3,3.7 ; 47.1,4.3 47.3,4.5 ; 47.1,4.3 47.3,4.1 ; 47.1,4.7 47.3,4.9 ; 47.1,4.7 47.3,4.5 ; 47.1,5.1 47.3,5.3 ; 47.1,5.1 47.3,4.9 ; 47.3,0.5 47.5,0.7 ; 47.3,0.5 47.5,0.3 47.7,0.5 ; 47.3,0.9 47.5,0.7 ; 47.3,0.9 47.5,1.1 ; 47.3,1.3 47.5,1.5 ; 47.3,1.3 47.5,1.1 ; 47.3,1.7 47.5,1.5 ; 47.3,2.1 47.5,2.3 47.3,2.5 ; 47.3,2.5 47.5,2.7 ; 47.3,2.9 47.5,3.1 ; 47.3,2.9 47.5,2.7 ; 47.3,3.3 47.5,3.5 ; 47.3,3.3 47.5,3.1 ; 47.3,3.7 47.5,3.5 ; 47.3,3.7 47.5,3.9 ; 47.3,4.1 47.5,4.3 ; 47.3,4.1 47.5,3.9 ; 47.3,4.5 47.5,4.7 ; 47.3,4.5 47.5,4.3 ; 47.3,4.9 47.5,5.1 ; 47.3,4.9 47.5,4.7 ; 47.3,5.3 47.5,5.5 47.7,5.3 ; 47.3,5.3 47.5,5.1 ; 47.5,0.7 47.7,0.9 ; 47.5,0.7 47.675,0.525 47.7,0.5 ; 47.5,1.1 47.7,0.9 ; 47.5,1.1 47.7,1.3 ; 47.5,1.5 47.7,1.3 ; 47.5,2.7 47.7,2.9 ; 47.5,3.1 47.7,3.3 ; 47.5,3.1 47.7,2.9 ; 47.5,3.5 47.7,3.7 ; 47.5,3.5 47.7,3.3 ; 47.5,3.9 47.7,4.1 ; 47.5,3.9 47.675,3.725 47.7,3.7 ; 47.5,4.3 v1@47.7,4.5 ; 47.5,4.3 47.7,4.1 ; 47.5,4.7 47.7,4.9 ; 47.5,4.7 v1@47.7,4.5 ; 47.5,5.1 47.7,5.3 ; 47.5,5.1 47.7,4.9 ; 47.7,0.5 v1@47.9,0.7 ; 47.7,0.5 47.9,0.3 48.1,0.5 ; 47.7,0.9 47.875,0.725 v1@47.9,0.7 ; 47.7,0.9 47.9,1.1 ; 47.7,1.3 47.9,1.1 ; 47.7,1.3 47.9,1.5 48.1,1.3 ; 47.7,2.9 47.9,3.1 ; 47.7,3.3 47.9,3.5 ; 47.7,3.3 47.9,3.1 ; 47.7,3.7 v1@47.9,3.9 ; 47.7,3.7 47.9,3.5 ; 47.7,4.1 47.858,3.942 v1@47.9,3.9 ; 47.7,4.1 v1@47.9,4.3 ; v1@47.7,4.5 v1@47.9,4.7 ; v1@47.7,4.5 v1@47.9,4.3 ; 47.7,4.9 47.9,5.1 ; 47.7,4.9 v1@47.9,4.7 ; 47.7,5.3 47.9,5.1 ; v1@47.9,0.7 48.1,0.5 ; v1@47.9,0.7 48.1,0.9 ; 47.9,1.1 48.1,1.3 ; 47.9,1.1 48.1,0.9 ; 47.9,3.1 48.1,2.9 ; 47.9,3.1 48.1,3.3 ; 47.9,3.5 48.1,3.7 ; 47.9,3.5 48.1,3.3 ; v1@47.9,3.9 48.1,3.7 ; v1@47.9,3.9 48.1,4.1 ; v1@47.9,4.3 48.1,4.5 ; v1@47.9,4.3 48.1,4.1 ; v1@47.9,4.7 48.1,4.5 ; v1@47.9,4.7 48.1,4.9 ; 47.9,5.1 48.1,5.3 ; 47.9,5.1 48.1,4.9 ; 48.1,0.5 48.3,0.3 48.5,0.5 ; 48.1,0.5 48.3,0.7 ; 48.1,0.9 48.3,1.1 ; 48.1,0.9 48.3,0.7 ; 48.1,1.3 48.3,1.1 ; 48.1,1.3 48.3,1.5 ; 48.1,2.9 48.3,2.7 ; 48.1,2.9 48.3,3.1 ; 48.1,3.3 48.3,3.5 ; 48.1,3.3 48.3,3.1 ; 48.1,3.7 48.3,3.5 ; 48.1,3.7 48.3,3.9 ; 48.1,4.1 48.3,3.9 ; 48.1,4.1 48.3,4.3 ; 48.1,4.5 48.3,4.7 ; 48.1,4.5 48.3,4.3 ; 48.1,4.9 48.3,5.1 ; 48.1,4.9 48.3,4.7 ; 48.1,5.3 48.3,5.5 ; 48.1,5.3 48.3,5.1 ; 48.3,0.7 48.5,0.9 ; 48.3,0.7 48.5,0.5 ; 48.3,1.1 48.5,1.3 ; 48.3,1.1 48.5,0.9 ; 48.3,1.5 48.5,1.3 ; 48.3,1.5 48.5,1.7 ; 48.3,2.7 48.5,2.5 ; 48.3,2.7 48.5,2.9 ; 48.3,3.1 48.5,3.3 ; 48.3,3.1 48.5,2.9 ; 48.3,3.5 48.5,3.7 ; 48.3,3.5 48.5,3.3 ; 48.3,3.9 48.5,3.7 ; 48.3,3.9 48.5,4.1 ; 48.3,4.3 48.5,4.5 ; 48.3,4.3 48.5,4.1 ; 48.3,4.7 48.5,4.5 ; 48.3,4.7 48.5,4.9 ; 48.3,5.1 48.5,5.3 ; 48.3,5.1 48.5,4.9 ; 48.3,5.5 48.5,5.7 ; 48.3,5.5 48.5,5.3 ; 48.5,0.5 48.7,0.7 ; 48.5,0.5 48.7,0.3 48.9,0.5 ; 48.5,0.9 48.7,0.7 ; 48.5,0.9 48.7,1.1 ; 48.5,1.3 48.7,1.5 ; 48.5,1.3 48.7,1.1 ; 48.5,1.7 48.7,1.9 ; 48.5,1.7 48.7,1.5 ; 48.5,1.7 48.3,1.9 48.5,2.1 ; 48.5,2.1 48.7,1.9 ; 48.5,2.1 48.3,2.3 48.5,2.5 ; 48.5,2.1 48.7,2.3 ; 48.5,2.5 48.7,2.7 ; 48.5,2.5 48.7,2.3 ; 48.5,2.9 48.7,3.1 ; 48.5,2.9 48.7,2.7 ; 48.5,3.3 48.7,3.5 ; 48.5,3.3 48.7,3.1 ; 48.5,3.7 48.7,3.5 ; 48.5,3.7 48.7,3.9 ; 48.5,4.1 48.7,4.3 ; 48.5,4.1 48.7,3.9 ; 48.5,4.5 48.7,4.7 ; 48.5,4.5 48.7,4.3 ; 48.5,4.9 48.7,4.7 ; 48.5,4.9 48.7,5.1 ; 48.5,5.3 48.7,5.5 ; 48.5,5.3 48.7,5.1 ; 48.5,5.7 48.7,5.9 ; 48.5,5.7 48.7,5.5 ; 48.5,5.7 48.3,5.9 48.5,6.1 48.7,5.9 ; 48.7,0.7 48.9,0.5 ; 48.7,0.7 48.9,0.9 ; 48.7,1.1 48.9,1.3 ; 48.7,1.1 48.9,0.9 ; 48.7,1.5 48.9,1.7 ; 48.7,1.5 48.9,1.3 ; 48.7,1.9 48.9,2.1 ; 48.7,1.9 48.9,1.7 ; 48.7,2.3 48.9,2.1 ; 48.7,2.3 48.9,2.5 ; 48.7,2.7 48.9,2.9 ; 48.7,2.7 48.9,2.5 ; 48.7,3.1 48.9,3.3 ; 48.7,3.1 48.9,2.9 ; 48.7,3.5 48.9,3.3 ; 48.7,3.5 48.9,3.7 ; 48.7,3.9 48.9,4.1 ; 48.7,3.9 48.9,3.7 ; 48.7,4.3 48.9,4.5 ; 48.7,4.3 48.9,4.1 ; 48.7,4.7 48.9,4.9 ; 48.7,4.7 48.9,4.5 ; 48.7,5.1 48.9,5.3 ; 48.7,5.1 48.9,4.9 ; 48.7,5.5 48.9,5.7 ; 48.7,5.5 48.9,5.3 ; 48.7,5.9 48.9,6.1 49.1,5.9 ; 48.7,5.9 48.9,5.7 ; 48.9,0.5 49.1,0.7 ; 48.9,0.5 49.1,0.3 49.3,0.5 ; 48.9,0.9 49.1,1.1 ; 48.9,0.9 49.1,0.7 ; 48.9,1.3 49.1,1.5 ; 48.9,1.3 49.1,1.1 ; 48.9,1.7 49.1,1.9 ; 48.9,1.7 49.1,1.5 ; 48.9,2.1 49.1,2.3 ; 48.9,2.1 49.1,1.9 ; 48.9,2.5 49.1,2.3 ; 48.9,2.5 49.1,2.7 ; 48.9,2.9 49.1,3.1 ; 48.9,2.9 49.1,2.7 ; 48.9,3.3 49.1,3.5 ; 48.9,3.3 49.1,3.1 ; 48.9,3.7 49.1,3.5 ; 48.9,3.7 49.1,3.9 ; 48.9,4.1 49.1,3.9 ; 48.9,4.1 49.1,4.3 ; 48.9,4.5 49.1,4.7 ; 48.9,4.5 49.1,4.3 ; 48.9,4.9 49.1,5.1 ; 48.9,4.9 49.1,4.7 ; 48.9,5.3 49.1,5.5 ; 48.9,5.3 49.1,5.1 ; 48.9,5.7 49.1,5.9 ; 48.9,5.7 49.1,5.5 ; 49.1,0.7 49.3,0.9 ; 49.1,0.7 49.3,0.5 ; 49.1,1.1 49.3,1.3 ; 49.1,1.1 49.3,0.9 ; 49.1,1.5 49.3,1.7 ; 49.1,1.5 49.3,1.3 ; 49.1,1.9 49.3,2.1 ; 49.1,1.9 49.3,1.7 ; 49.1,2.3 49.3,2.5 ; 49.1,2.3 49.3,2.1 ; 49.1,2.7 49.3,2.9 ; 49.1,2.7 49.3,2.5 ; 49.1,3.1 49.3,2.9 ; 49.1,3.1 49.3,3.3 ; 49.1,3.5 49.3,3.7 ; 49.1,3.5 49.3,3.3 ; 49.1,3.9 49.3,3.7 ; 49.1,3.9 49.3,4.1 ; 49.1,4.3 49.3,4.1 ; 49.1,4.3 49.3,4.5 ; 49.1,4.7 49.3,4.9 ; 49.1,4.7 49.3,4.5 ; 49.1,5.1 49.3,4.9 ; 49.1,5.1 49.3,5.3 ; 49.1,5.5 49.3,5.7 ; 49.1,5.5 49.3,5.3 ; 49.1,5.9 49.3,6.1 49.5,5.9 ; 49.1,5.9 49.3,5.7 ; 49.3,0.5 49.5,0.3 49.7,0.5 ; 49.3,0.5 49.5,0.7 ; 49.3,0.9 49.5,1.1 ; 49.3,0.9 49.5,0.7 ; 49.3,1.3 49.5,1.5 ; 49.3,1.3 49.5,1.1 ; 49.3,1.7 49.5,1.9 ; 49.3,1.7 49.5,1.5 ; 49.3,2.1 49.5,2.3 ; 49.3,2.1 49.5,1.9 ; 49.3,2.5 49.5,2.7 ; 49.3,2.5 49.5,2.3 ; 49.3,2.9 49.5,2.7 ; 49.3,2.9 49.5,3.1 ; 49.3,3.3 49.5,3.5 ; 49.3,3.3 49.5,3.1 ; 49.3,3.7 49.5,3.5 ; 49.3,3.7 49.5,3.9 ; 49.3,4.1 49.5,3.9 ; 49.3,4.1 49.5,4.3 ; 49.3,4.5 49.5,4.7 ; 49.3,4.5 49.5,4.3 ; 49.3,4.9 49.5,4.7 ; 49.3,4.9 49.5,5.1 ; 49.3,5.3 49.5,5.5 ; 49.3,5.3 49.5,5.1 ; 49.3,5.7 49.5,5.9 ; 49.3,5.7 49.5,5.5 ; 49.5,0.7 49.7,0.5 ; 49.5,0.7 49.7,0.9 ; 49.5,1.1 49.7,1.3 ; 49.5,1.1 49.7,0.9 ; 49.5,1.5 49.7,1.7 ; 49.5,1.5 49.7,1.3 ; 49.5,1.9 49.7,2.1 ; 49.5,1.9 49.7,1.7 ; 49.5,2.3 49.7,2.1 ; 49.5,2.3 49.7,2.5 ; 49.5,2.7 49.7,2.9 ; 49.5,2.7 49.7,2.5 ; 49.5,3.1 49.7,2.9 ; 49.5,3.1 49.7,3.3 ; 49.5,3.5 49.7,3.3 ; 49.5,3.5 49.7,3.7 ; 49.5,3.9 49.7,3.7 ; 49.5,3.9 49.7,4.1 ; 49.5,4.3 49.7,4.5 ; 49.5,4.3 49.7,4.1 ; 49.5,4.7 49.7,4.5 ; 49.5,4.7 49.7,4.9 ; 49.5,5.1 49.7,5.3 ; 49.5,5.1 49.7,4.9 ; 49.5,5.5 49.7,5.3 ; 49.5,5.5 49.7,5.7 ; 49.5,5.9 49.7,5.7
  S4 Flex copper inner 2 w0.2: 10.452,4.165 10.452,5.135 cw(c10.8,5.135) 10.8,5.483 27.45,5.483 cw(c27.45,5.2) v1(27.65,5.4)